# Altium PCB PCB1.PcbDoc
Units mm, origin at the board's own origin, x right, y up, seen from the top; angles counter-clockwise.
Board outline 73.66 x 51.31 mm, 2 copper layers (Top Layer, Bottom Layer); 67 components, 55 nets, 269 pads, 116 vias.
Unrouted connection lines stored in the file: 5.
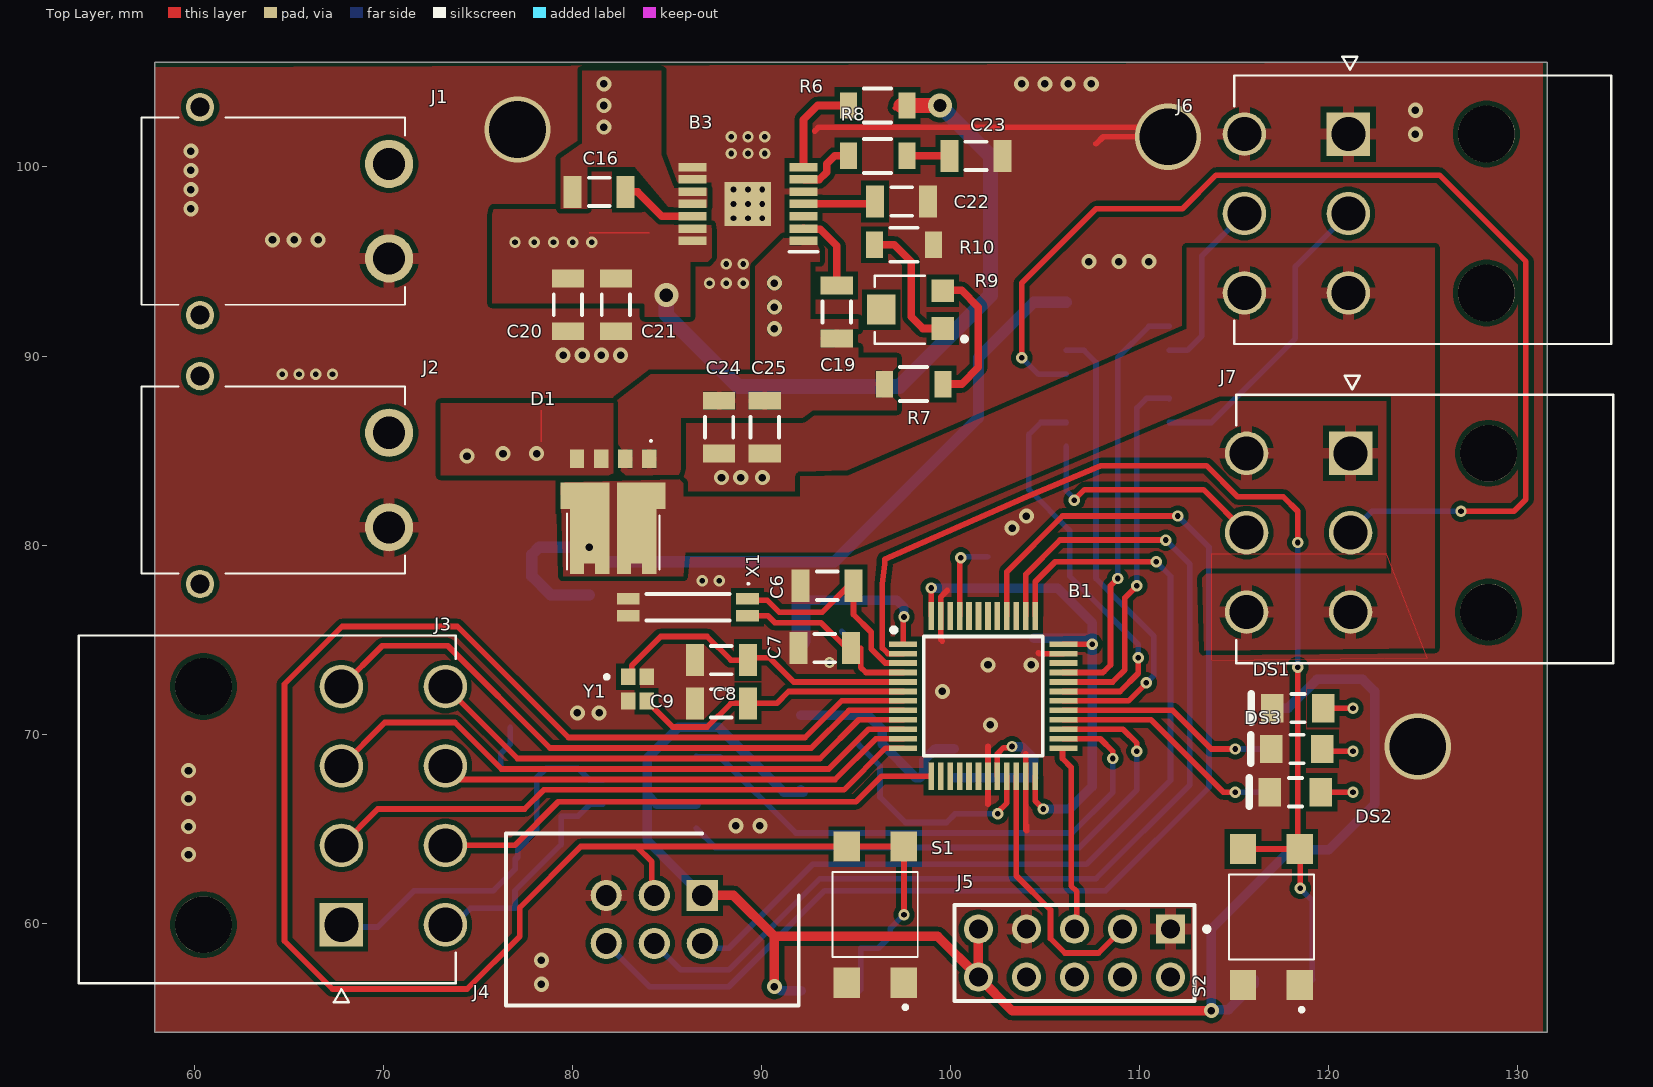
[diagram p0: Top Layer view]
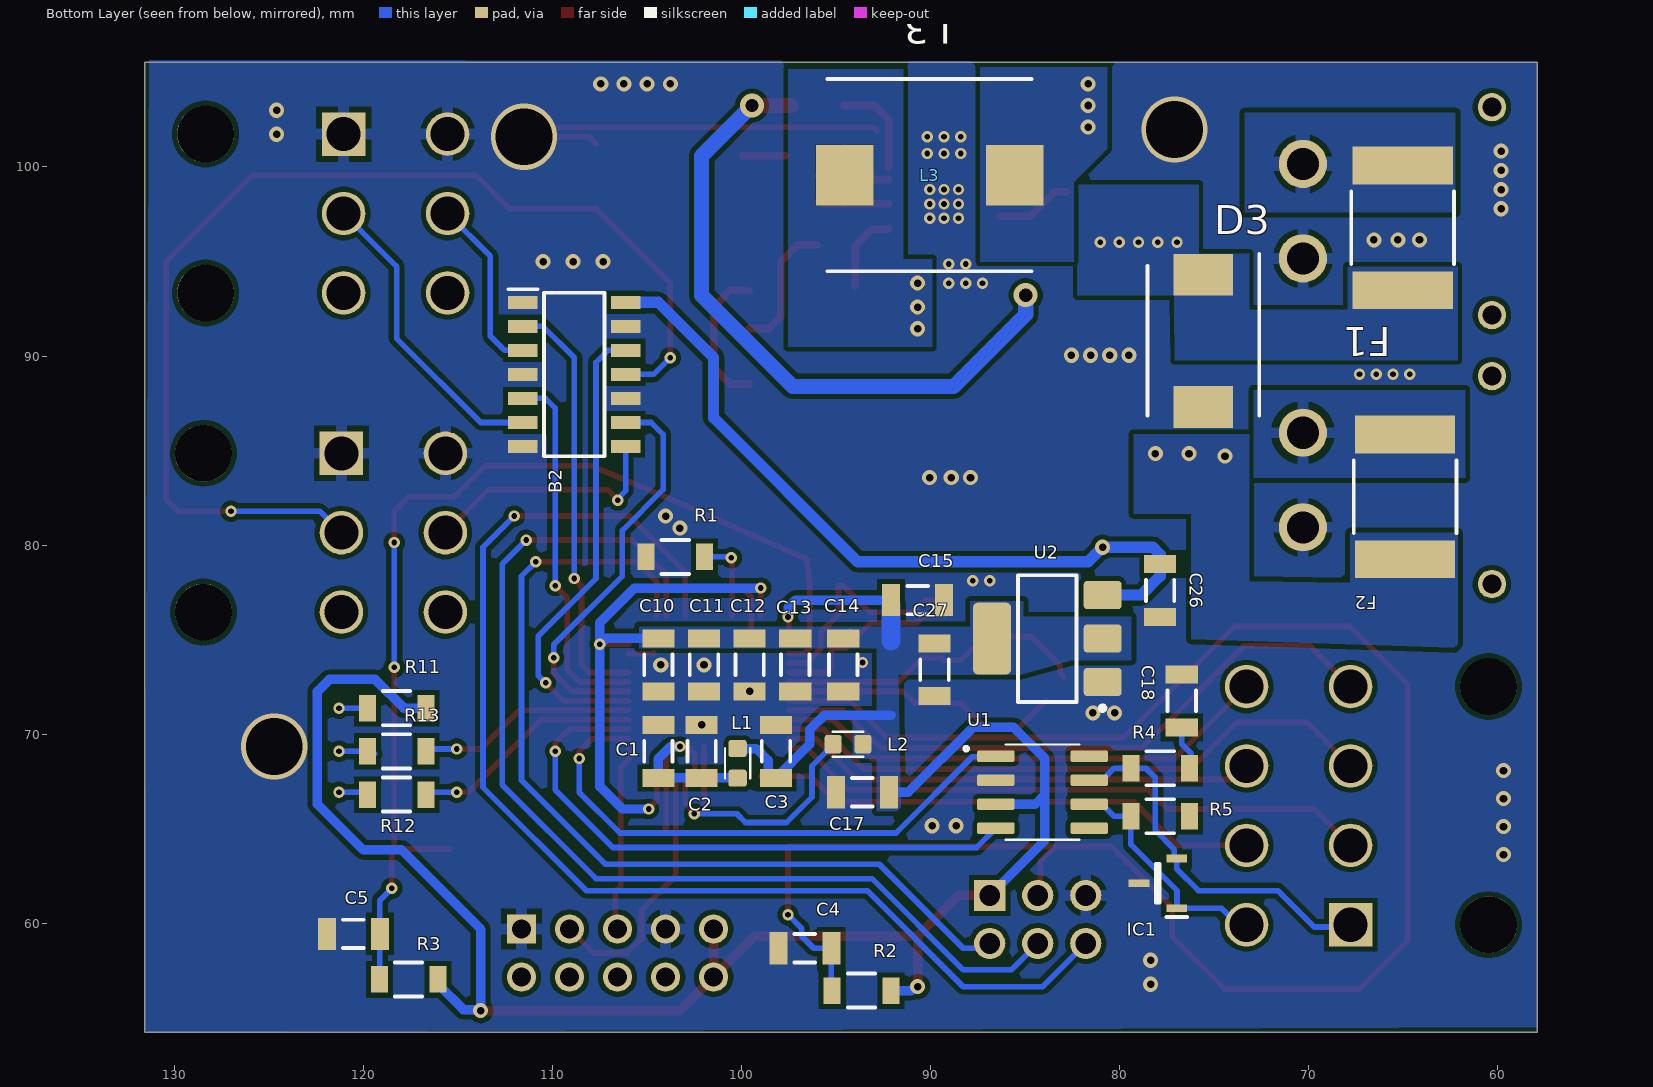
[diagram p1: Bottom Layer view, seen from below]
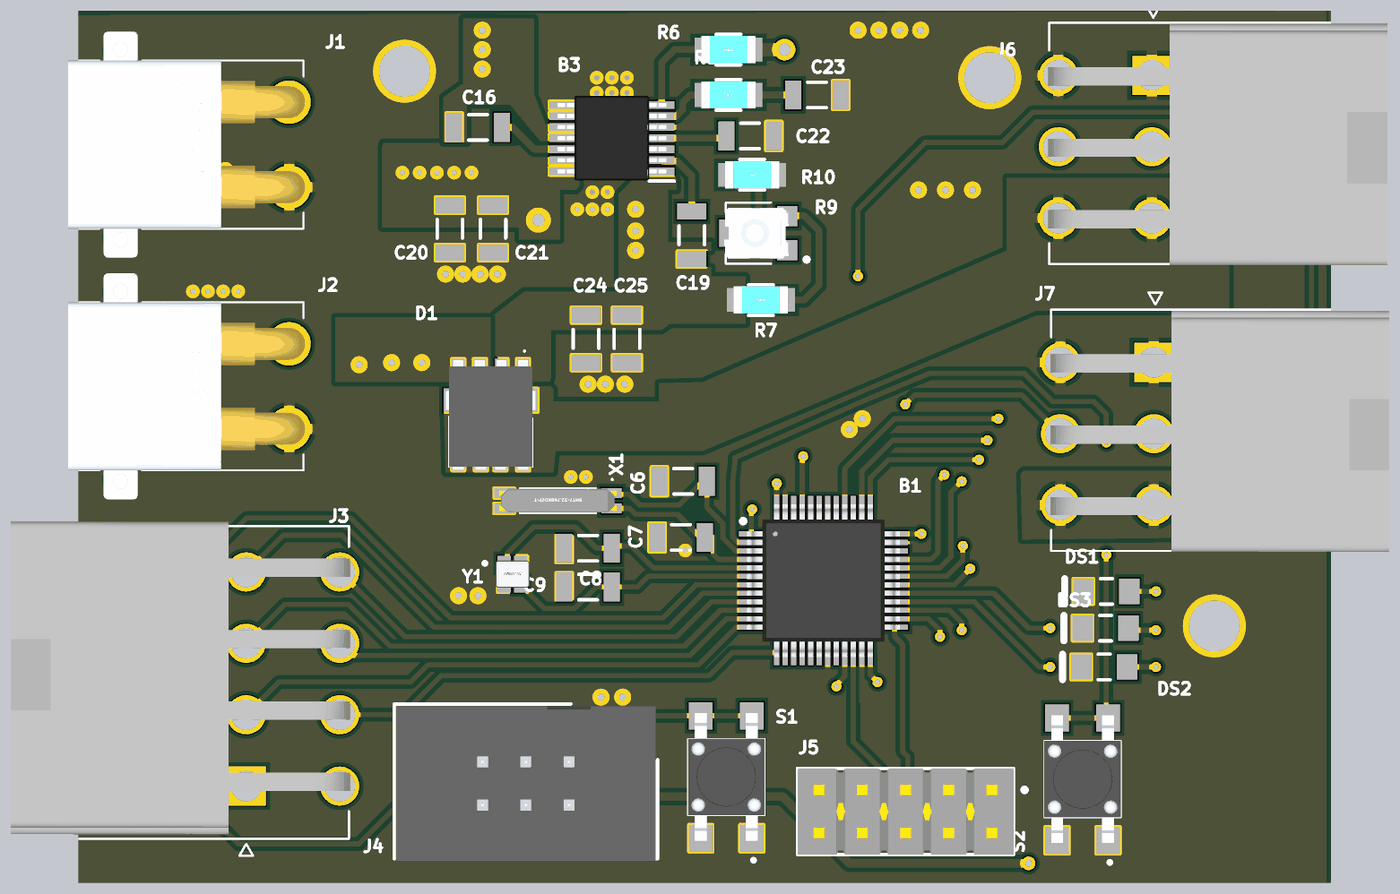
[diagram p2: 3D render of the assembled board from above, using the file's embedded part models]
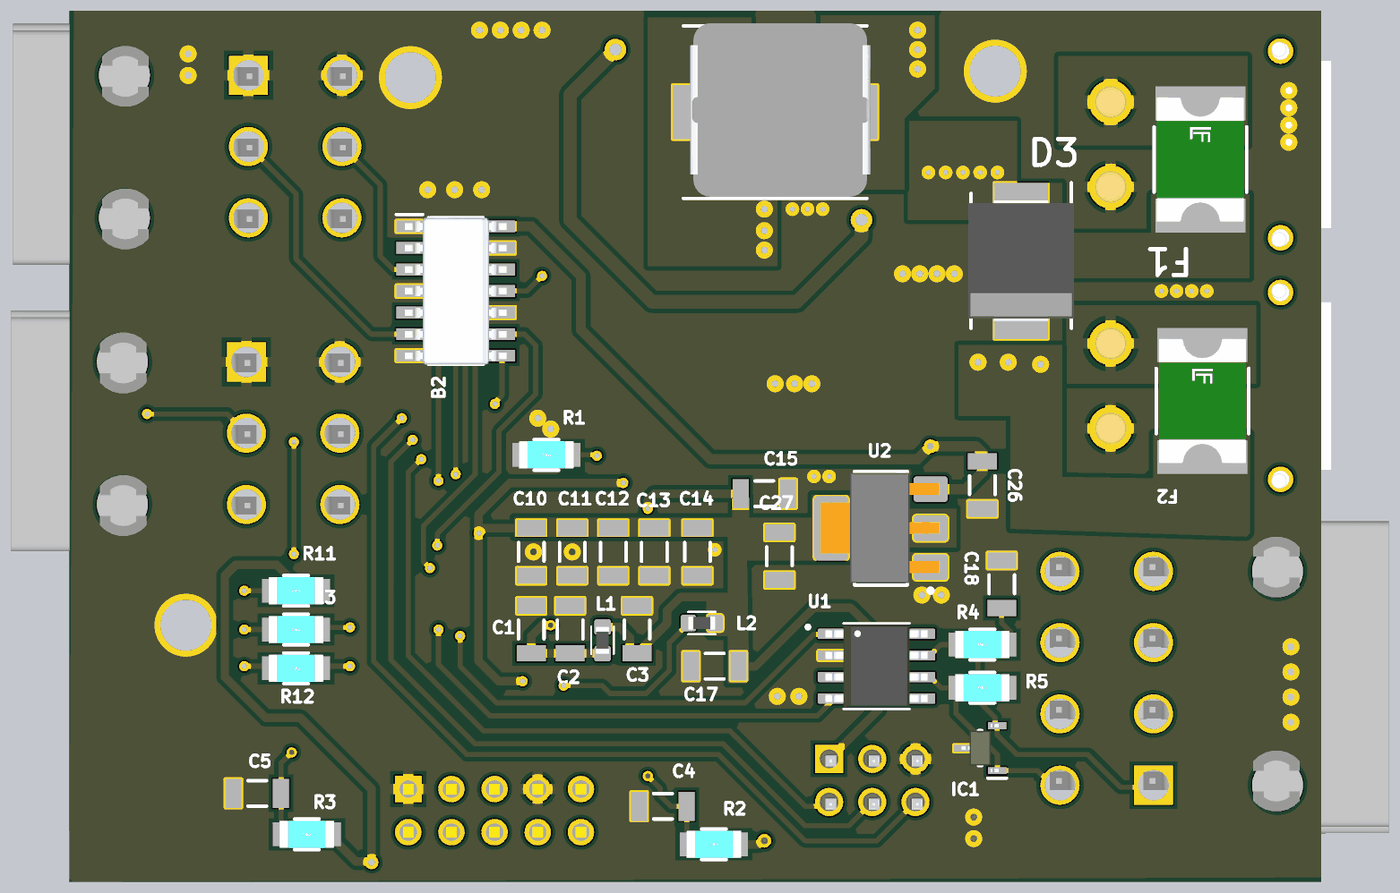
[diagram p3: 3D render of the assembled board from below, using the file's embedded part models]

## Layer stack, top to bottom
Top Solder: solder mask 0.0102, Solder Resist, Dk 3.5
Top Layer: signal copper 0.0356
Dielectric 1: dielectric 0.32, FR-4, Dk 4.8
Bottom Layer: signal copper 0.0356
Bottom Solder: solder mask 0.0102, Solder Resist, Dk 3.5

## Board outline
57.912,54.229 131.572,54.229 131.572,105.537 57.912,105.537

## Design rules (kind name [scope] priority, off if disabled: settings)
Clearance [All] p1: gap=0.15 ignorepadtopadclearanceinfootprint=FALSE
PolygonConnect PolygonConnect_1 [InNet('NetD1_3') vs InNet('NetD1_3')] p1: thpad.connectstyle=Relief thpad.reliefconductorwidth=0.6 thpad.reliefentries=4 thpad.polygonreliefangle="90 Angle" thpad.airgapwidth=0.3 smdpad.connectstyle=Direct smdpad.reliefconductorwidth=0.254 smdpad.reliefentries=4 smdpad.polygonreliefangle="90 Angle" smdpad.airgapwidth=0.254 via.connectstyle=Direct via.reliefconductorwidth=0.254 via.reliefentries=4 via.polygonreliefangle="90 Angle" via.airgapwidth=0.254
PolygonConnect [InNet('NetB3_13') vs InNet('NetB3_13')] p2: thpad.connectstyle=Relief thpad.reliefconductorwidth=0.6 thpad.reliefentries=4 thpad.polygonreliefangle="90 Angle" thpad.airgapwidth=0.3 smdpad.connectstyle=Direct smdpad.reliefconductorwidth=0.254 smdpad.reliefentries=4 smdpad.polygonreliefangle="90 Angle" smdpad.airgapwidth=0.254 via.connectstyle=Direct via.reliefconductorwidth=0.254 via.reliefentries=4 via.polygonreliefangle="90 Angle" via.airgapwidth=0.254
PolygonConnect +3V3 [InNet('+3V3') vs InNet('+3V3')] p3: thpad.connectstyle=Relief thpad.reliefconductorwidth=0.6 thpad.reliefentries=4 thpad.polygonreliefangle="90 Angle" thpad.airgapwidth=0.3 smdpad.connectstyle=Direct smdpad.reliefconductorwidth=0.254 smdpad.reliefentries=4 smdpad.polygonreliefangle="90 Angle" smdpad.airgapwidth=0.254 via.connectstyle=Direct via.reliefconductorwidth=0.254 via.reliefentries=4 via.polygonreliefangle="90 Angle" via.airgapwidth=0.254
PolygonConnect +5V_EXT [InNet('+5V_EXT') vs InNet('+5V_EXT')] p4: thpad.connectstyle=Relief thpad.reliefconductorwidth=0.6 thpad.reliefentries=4 thpad.polygonreliefangle="90 Angle" thpad.airgapwidth=0.4 smdpad.connectstyle=Direct smdpad.reliefconductorwidth=0.254 smdpad.reliefentries=4 smdpad.polygonreliefangle="90 Angle" smdpad.airgapwidth=0.254 via.connectstyle=Direct via.reliefconductorwidth=0.254 via.reliefentries=4 via.polygonreliefangle="90 Angle" via.airgapwidth=0.254
PolygonConnect GND [InNet('GND') vs InNet('GND')] p5: thpad.connectstyle=Relief thpad.reliefconductorwidth=0.6 thpad.reliefentries=4 thpad.polygonreliefangle="90 Angle" thpad.airgapwidth=0.3 smdpad.connectstyle=Direct smdpad.reliefconductorwidth=0.254 smdpad.reliefentries=4 smdpad.polygonreliefangle="90 Angle" smdpad.airgapwidth=0.254 via.connectstyle=Direct via.reliefconductorwidth=0.254 via.reliefentries=4 via.polygonreliefangle="90 Angle" via.airgapwidth=0.254
PolygonConnect SW [InNet('SW') vs InNet('SW')] p6: thpad.connectstyle=Relief thpad.reliefconductorwidth=0.6 thpad.reliefentries=4 thpad.polygonreliefangle="90 Angle" thpad.airgapwidth=0.3 smdpad.connectstyle=Direct smdpad.reliefconductorwidth=0.254 smdpad.reliefentries=4 smdpad.polygonreliefangle="90 Angle" smdpad.airgapwidth=0.254 via.connectstyle=Direct via.reliefconductorwidth=0.254 via.reliefentries=4 via.polygonreliefangle="90 Angle" via.airgapwidth=0.254
PolygonConnect +5V [InNet('+5V') vs InNet('+5V')] p7: thpad.connectstyle=Relief thpad.reliefconductorwidth=0.6 thpad.reliefentries=4 thpad.polygonreliefangle="90 Angle" thpad.airgapwidth=0.3 smdpad.connectstyle=Direct smdpad.reliefconductorwidth=0.254 smdpad.reliefentries=4 smdpad.polygonreliefangle="90 Angle" smdpad.airgapwidth=0.254 via.connectstyle=Direct via.reliefconductorwidth=0.254 via.reliefentries=4 via.polygonreliefangle="90 Angle" via.airgapwidth=0.254
PolygonConnect +12 [InNet('+12V') vs InNet('+12V')] p8: thpad.connectstyle=Relief thpad.reliefconductorwidth=0.8 thpad.reliefentries=4 thpad.polygonreliefangle="90 Angle" thpad.airgapwidth=0.3 smdpad.connectstyle=Direct smdpad.reliefconductorwidth=0.254 smdpad.reliefentries=4 smdpad.polygonreliefangle="90 Angle" smdpad.airgapwidth=0.254 via.connectstyle=Direct via.reliefconductorwidth=0.254 via.reliefentries=4 via.polygonreliefangle="90 Angle" via.airgapwidth=0.254
RoutingVias RoutingVias_1 [All] p1: holewidth=0.3 width=0.6 viastyle="Through Hole" minholewidth=0.3 minwidth=0.6 maxholewidth=0.3 maxwidth=0.6
SolderMaskExpansion [All] p1: expansion=0.102 istentingtop=FALSE
SupplyNets "Schematic Supply Nets_6" [InNet('GND')] p1: voltage=0.000
SupplyNets "Schematic Supply Nets_4" [InNet('+5V_OUT')] p2: voltage=0.000
SupplyNets "Schematic Supply Nets_3" [InNet('+3V3')] p3: voltage=0.000
SupplyNets "Schematic Supply Nets_2" [InNet('+5V')] p4: voltage=0.000
SupplyNets "Schematic Supply Nets_1" [InNet('+5V_EXT')] p5: voltage=0.000
SupplyNets "Schematic Supply Nets" [InNet('+12V')] p6: voltage=0.000
Width [All] p1: maxlimit=0.8 minlimit=0.3 preferedwidth=0.3 minimp=50.000000 maximp=50.000000 favimp=50.000000
30 further rules are at their usual default settings.

## Classes and differential pairs
component class POWER: 0.7 B3 C16 C19 C20 C21 C22 C23 C24 C25 C26 C27 D1 D3 F1 F2 L3 R6 R7 R8 R9 R10 U2
component class MCU: B1 C1 C2 C3 C4 C5 C6 C7 C8 C9 C10 C11 C12 C13 C14 C15 DS1 DS2 DS3 L1 L2 R1 R2 R3 R11 R12 R13 S1 S2 X1 Y1
component class main: J1 J2 J3 J4 J5 J6 J7
component class IO: B2 C17 C18 IC1 R4 R5 U1

## Components (designator, comment, footprint, x,y, rotation, side; value= is the part's Value field where it differs from the comment)
B1 "STM32G491CET6" STM32G491CET6 101.727,72.009 r0 top
B2 "74AHCT125D_112" 74AHCT125D_112 108.839,89.027 r180 bottom
B3 "TPS54626PWPR" TPS54626PWPR 89.281,98.044 r180 top
C1 "1u" CAPC1206(3216)150_L 104.394,69.088 r90 bottom value=1.8uF
C2 "100n" CAPC1206(3216)150_L 102.108,69.088 r90 bottom value=1.8uF
C3 "100n" CAPC1206(3216)150_L 98.171,69.088 r90 bottom value=1.8uF
C4 "100n" CAPC1206(3216)150_L 96.647,58.674 r0 bottom value=1.8uF
C5 "100n" CAPC1206(3216)150_L 120.523,59.436 r0 bottom value=1.8uF
C6 "20p" CAPC1206(3216)150_L 93.472,77.851 r180 top value=1.8uF
C7 "20p" CAPC1206(3216)150_L 93.345,74.549 r180 top value=1.8uF
C8 "12p" CAPC1206(3216)150_L 87.881,73.914 r180 top value=1.8uF
C9 "12p" CAPC1206(3216)150_L 87.881,71.628 r180 top value=1.8uF
C10 "100n" CAPC1206(3216)150_L 104.394,73.66 r270 bottom value=1.8uF
C11 "100n" CAPC1206(3216)150_L 101.981,73.66 r270 bottom value=1.8uF
C12 "100n" CAPC1206(3216)150_L 99.568,73.66 r270 bottom value=1.8uF
C13 "100n" CAPC1206(3216)150_L 97.155,73.66 r270 bottom value=1.8uF
C14 "4u7" CAPC1206(3216)150_L 94.615,73.66 r270 bottom value=1.8uF
C15 "100n" CAPC1206(3216)150_L 90.678,77.089 r180 bottom value=1.8uF
C16 "100n" CAPC1206(3216)150_L 81.407,98.679 r180 top value=1.8uF
C17 "100n" CAPC1206(3216)150_L 93.602,66.929 r0 bottom value=1.8uF
C18 "4n7" CAPC1206(3216)150_L 76.708,71.755 r90 bottom value=1.8uF
C19 "5p1" CAPC1206(3216)150_L 93.98,92.329 r90 top value=1.8uF
C20 "10u" CAPC1206(3216)150_L 79.756,92.71 r270 top value=1.8uF
C21 "10u" CAPC1206(3216)150_L 82.296,92.71 r270 top value=1.8uF
C22 "8n2" CAPC1206(3216)150_L 97.409,98.171 r0 top value=1.8uF
C23 "1u" CAPC1206(3216)150_L 101.346,100.584 r0 top value=1.8uF
C24 "22u" CAPC1206(3216)150_L 87.757,86.233 r270 top value=1.8uF
C25 "22u" CAPC1206(3216)150_L 90.17,86.233 r270 top value=1.8uF
C26 "10u" CAPC1206(3216)150_L 77.851,77.597 r270 bottom value=1.8uF
C27 "22u" CAPC1206(3216)150_L 89.789,73.406 r270 bottom value=1.8uF
D1 "V10K100DUHM3_H" V10K100DUHM3H 82.153,81.661 r180 top
D3 "TPSMC30CA" TPSMC30CA 75.565,90.805 r270 bottom
DS1 "SML-LX1206YC-TR" LUMX-SML-LX1206YC-TR_V 118.364,71.374 r180 top
DS2 "SML-LX1206YC-TR" LUMX-SML-LX1206YC-TR_V 118.237,66.929 r180 top
DS3 "SML-LX1206YC-TR" LUMX-SML-LX1206YC-TR_V 118.317,69.215 r180 top
F1 "2920L400/15MR" FP-2920L400-15MR-MFG 65.024,96.774 r270 bottom
F2 "2920L400/15MR" FP-2920L400-15MR-MFG 64.897,82.55 r270 bottom
IC1 "SP0502BAJTG" SOT132P220X110-3N 77.978,62.103 r0 bottom
J1 "XT30PW-M" XT30PWM 64.389,97.663 r90 top
J2 "XT30PW-M" XT30PWM 64.389,83.439 r90 top
J3 "39301080" 39301080 67.779,59.917 r270 top
J4 "61200621621" 61200621621 86.868,61.468 r180 top
J5 "TSW-105-07-G-D" SMTC-TSW-105-07-G-D_V 106.553,58.42 r180 top
J6 "39301060" 39301060 121.039,101.738 r90 top
J7 "39301060" 39301060 121.158,84.854 r90 top
L1 "MPZ1608S601ATA00" INDC1608X95N 100.203,68.453 r90 bottom
L2 "MPZ1608S601ATA00" INDC1608X95N 94.361,69.469 r180 bottom
L3 "IHLP4040DZER3R3M01" IHLP4040DZER3R3M01 90.043,99.568 r0 bottom value=3.3µH
R1 "10k" FP-RK73H2B-MFG 103.505,79.375 r180 bottom
R2 "10k" FP-RK73H2B-MFG 93.648,56.437 r180 bottom
R3 "10k" FP-RK73H2B-MFG 117.602,57.023 r180 bottom
R4 "60" FP-RK73H2B-MFG 77.851,68.199 r0 bottom
R5 "60" FP-RK73H2B-MFG 77.851,65.659 r0 bottom
R6 "10k" FP-RK73H2B-MFG 96.139,103.251 r0 top
R7 "100k" FP-RK73H2B-MFG 98.044,88.519 r0 top
R8 "100k" FP-RK73H2B-MFG 96.139,100.584 r0 top
R9 "TC33X-2-503E" TRIM_TC33X-2-503E 97.79,92.456 r180 top
R10 "100k" FP-RK73H2B-MFG 97.536,95.885 r0 top
R11 "1k" FP-RK73H2B-MFG 118.237,71.374 r180 bottom
R12 "1k" FP-RK73H2B-MFG 118.237,66.802 r180 bottom
R13 "1k" FP-RK73H2B-MFG 118.237,69.088 r180 bottom
S1 "TL3305BF100QG" TL3305BF160QG 96.012,60.452 r90 top
S2 "TL3305BF100QG" TL3305BF160QG 116.967,60.325 r90 top
U1 "SN65HVD232D" SN65HVD232D 84.074,66.929 r180 bottom
U2 "LDI1117-3.3H" LDI1117-3.3H 83.82,75.057 r0 bottom
X1 "9HT7-32.768KDZF-T" 9HT732768KDZFT 86.106,76.708 r180 top
Y1 "ABM11W-24.0000MHZ-8-D1X-T3" XTAL_ABM11W-24.0000MHZ-8-D1X-T3 83.439,72.39 r0 top

## Footprints (in the part's own frame and the unit in brackets; to place one, negate y for a bottom-side part, rotate by r counter-clockwise, add the part's x,y. Pads: shape width x height; smd on the part's side, far side on the other; paste and mask are expansions set on the pad)
9HT732768KDZFT [mm]
  rect 1.2x0.6 smd: 1(-3.15,-0.45) 2(3.15,-0.45) 3(3.15,0.45) 4(-3.15,0.45)
  silkscreen extent -3.25,-1.3 2.2,0.7, body extent -3.45,-0.71 3.45,0.69, height 1.25
74AHCT125D_112 [mm]
  rect 1.55x0.7 smd: 1(-2.725,3.81) 2(-2.725,2.54) 3(-2.725,1.27) 4(-2.725,0) 5(-2.725,-1.27) 6(-2.725,-2.54) 7(-2.725,-3.81) 8(2.725,-3.81) 9(2.725,-2.54) 10(2.725,-1.27) 11(2.725,0) 12(2.725,1.27) 13(2.725,2.54) 14(2.725,3.81)
  silkscreen extent -3.5,-4.33 1.6,4.51, body extent -3,-4.33 3,4.32, height 1.48
39301060 [mm]
  rect 2.3x2.3 / inner round 2.3 / far side rect 2.3x2.3 hole 1.8 mask+0.076: 1(0,0)
  round 2.3 hole 1.8 mask+0.076: 2(-4.2,0) 3(-8.4,0) 4(0,5.5) 5(-4.2,5.5) 6(-8.4,5.5)
  round 3 hole 3 unplated mask+0.076: ""(-8.4,-7.3) ""(0,-7.3)
  silkscreen extent -11.1,-13.9 4.1,6.04, body extent -11.16,-13.84 3.03,6.09, height 11.4
39301080 [mm]
  rect 2.3x2.3 / inner round 2.3 / far side rect 2.3x2.3 hole 1.8 mask+0.076: 1(0,0)
  round 2.3 hole 1.8 mask+0.076: 2(-4.2,0) 3(-8.4,0) 4(-12.6,0) 5(0,5.5) 6(-4.2,5.5) 7(-8.4,5.5) 8(-12.6,5.5)
  round 3 hole 3 unplated mask+0.076: ""(-12.6,-7.3) ""(0,-7.3)
  silkscreen extent -15.3,-13.9 4.1,6.04, body extent -15.55,-13.84 2.85,6.1, height 11.4
61200621621 [mm]
  rect 1.65x1.65 / inner round 1.65 / far side rect 1.65x1.65 hole 1.1: 1(0,0)
  round 1.65 hole 1.1: 2(0,2.54) 3(2.54,0) 4(2.54,2.54) 5(5.08,0) 6(5.08,2.54)
  silkscreen extent -5.1,-3.28 10.38,5.82, body extent -4.99,-3.15 10.29,5.95, height 9.1
CAPC1206(3216)150_L [mm] "Chip Capacitor, Body 3.2x1.6mm, Height 1.5mm, IPC High Density"
  rect 0.95x1.7 smd: 1(-1.4,0) 2(1.4,0)
  silkscreen extent -0.55,-0.75 0.55,0.75, body extent -1.7,-0.9 1.7,0.9, height 1.5
FP-2920L400-15MR-MFG [mm]
  rect 2x5.3 smd paste+0 mask+0: 1(-3.3,0) 2(3.3,0)
  silkscreen extent -1.92,-2.72 1.92,2.72, body extent -3.68,-2.56 3.68,2.56, height 1.6
FP-RK73H2B-MFG [mm]
  rect 0.9x1.4 smd paste+0 mask+0: 1(-1.55,0) 2(1.55,0)
  silkscreen extent -0.72,-0.9 0.72,0.9, body extent -1.6,-0.8 1.6,0.8, height 0.7
IHLP4040DZER3R3M01 [mm]
  rect 3.05x3.2 smd: 1(-4.5,0) 2(4.5,0)
  silkscreen extent -5.4,-5.08 5.4,5.08, body extent -5.61,-5.23 5.01,4.98, height 6.28
INDC1608X95N [mm]
  rrect30% 0.9x0.97 smd: 1(-0.785,0) 2(0.785,0)
  silkscreen extent -0.8,-0.66 0.8,0.66, body extent -0.8,-0.4 0.8,0.4, height 0.95
LDI1117-3.3H [mm] "LDI1117-3.3H, 4-Leads"
  rrect25% 2x1.5 smd: 1(-2.925,2.3) 2(-2.925,0) 3(-2.925,-2.3)
  rrect25% 2x3.8 smd: 4(2.925,0)
  silkscreen extent -3.05,-3.35 1.55,3.81, body extent -3.44,-3.26 3.56,3.24, height 1.64
LUMX-SML-LX1206YC-TR_V [mm] "SMD, 2-Leads, Body 3.2x1.5mm"
  rect 1.2x1.5 smd: 1(-1.35,0) 2(1.35,0)
  silkscreen extent -0.35,-0.75 2.45,0.75, body extent -1.6,-0.75 1.6,0.75, height 1.25
SMTC-TSW-105-07-G-D_V [mm] "THD, 10-Leads, Body 12.7x5.08mm, Pitch 2.54mm"
  rect 1.55x1.55 hole 1.02: 1(-5.08,-1.27)
  round 1.55 hole 1.02: 2(-5.08,1.27) 3(-2.54,-1.27) 4(-2.54,1.27) 5(0,-1.27) 6(0,1.27) 7(2.54,-1.27) 8(2.54,1.27) 9(5.08,-1.27) 10(5.08,1.27)
  silkscreen extent -7.13,-2.54 6.35,2.54, body extent -6.35,-2.54 6.35,2.54, height 8.38
SN65HVD232D [mm]
  rrect25% 1.97x0.6 smd: 1(-2.47,1.905) 2(-2.47,0.635) 3(-2.47,-0.635) 4(-2.47,-1.905) 5(2.47,-1.905) 6(2.47,-0.635) 7(2.47,0.635) 8(2.47,1.905)
  silkscreen extent -4.14,-2.52 1.95,2.52, body extent -3,-2.45 3,2.45, height 1.75
SOT132P220X110-3N [mm]
  rect 1.1x0.4 smd: 1(-1,1.32) 2(-1,-1.32) 3(1,0)
  silkscreen extent -1.55,-1.02 0.1,1.77, body extent -1.1,-1.43 1.1,1.43, height 1.1
STM32G491CET6 [mm]
  rect 1.475x0.3 smd: 1(-4.238,2.75) 2(-4.238,2.25) 3(-4.238,1.75) 4(-4.238,1.25) 5(-4.238,0.75) 6(-4.238,0.25) 7(-4.238,-0.25) 8(-4.238,-0.75) 9(-4.238,-1.25) 10(-4.238,-1.75) 11(-4.238,-2.25) 12(-4.238,-2.75) 25(4.238,-2.75) 26(4.238,-2.25) 27(4.238,-1.75) 28(4.238,-1.25) 29(4.238,-0.75) 30(4.238,-0.25) 31(4.238,0.25) 32(4.238,0.75) 33(4.238,1.25) 34(4.238,1.75) 35(4.238,2.25) 36(4.238,2.75)